# Altium PCB EDA-04211-V4_0_pcb.pcbdoc (part 10 of 12) (continued)
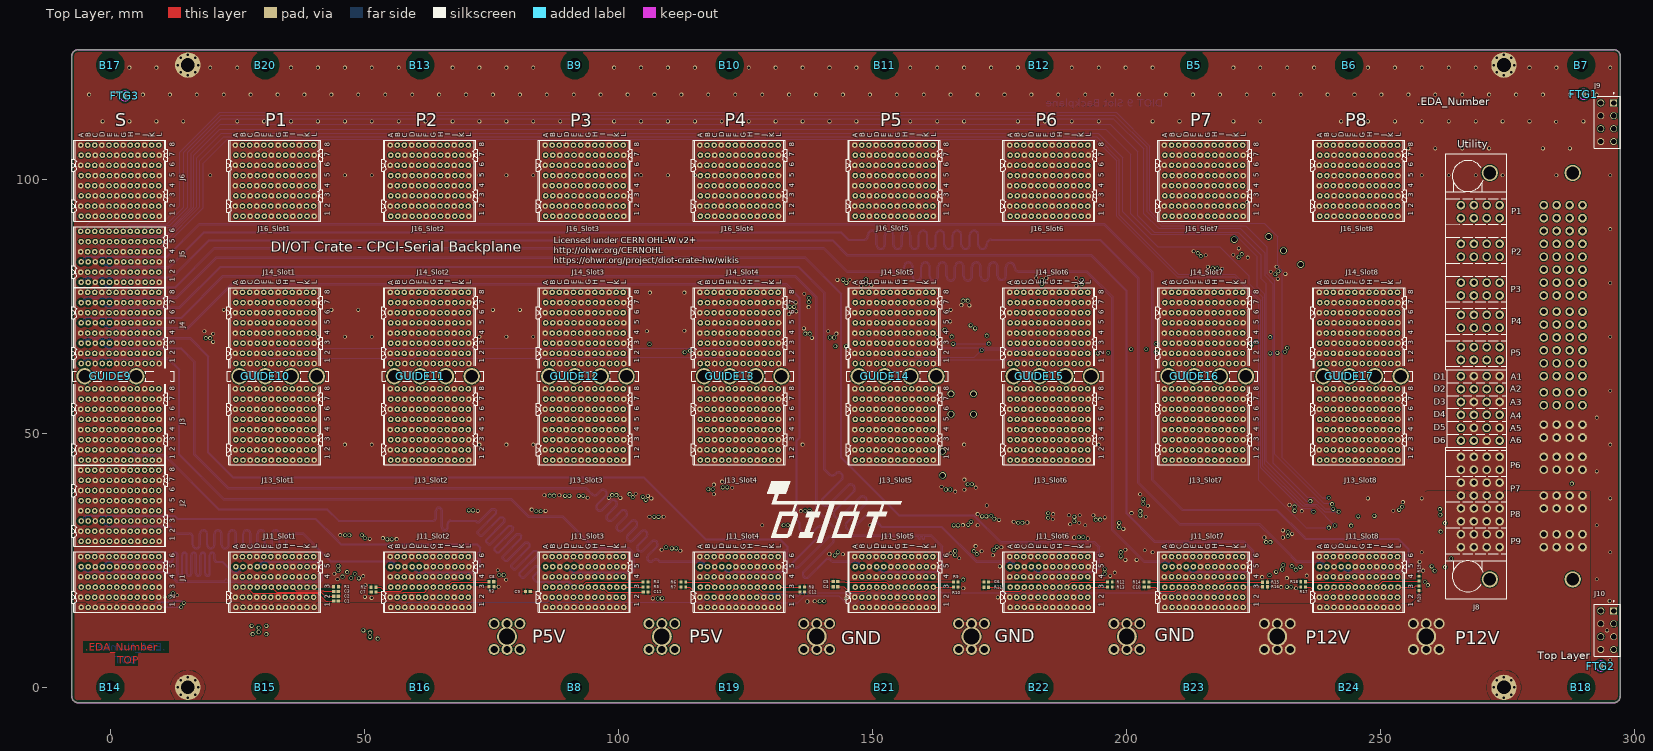
[diagram p0: Top Layer view]
## Nets (pads, with @x,y where several pads share a name; then routed paths per layer and width w, separated by ;. In a path a pad name is that pad's centre, name@x,y a point inside that pad or via, vN(x,y) a via of type N, cw(c..) or ccw(c..) an arc to the next point about the centre after c; other vN are vias at no path point) (continued)
R15.2 R16.2 R17.2 R18.2 R19.2 R20.2 | length 2.6
  Bottom Layer w0.3: J1.L1@9.62,15.75 9.654,15.784 12.239,15.784
  other v1: 295.25,5.4 52.6,9.6 28,10.5 30.7,10.5 49.8,11.2 294.6,11.2 27.8,12.1 30.7,12.1 137.2,16.9 138.628,16.952 295.1,17 106.776,17.511 144.8,17.5 51.4,17.6 174.7,17.7 10.7,17.8 50.1,17.8 13.157,18.126 167.9,19.5 233.4,19.5 230.454,19.741 76.4,19.8 50.2,20.1 77.9,21.2 44.7,21.3 292.6,21.3 231.6,21.5 226.7,21.7 49.765,21.911 196.82,21.95 235.5,22 44.089,22.363 197.7,22.6 258.4,23 76.264,23.051 175.1,23.8 257.7,24.7 199.8,25.1 202,25.1 167.105,25.425 173.731,25.995 144.2,26.2 141.523,26.249 165.4,26.4 205.15,26.6 258.15,26.6 295.25,26.6 171.5,26.8 112.2,26.9 203.6,27 108.503,27.087 199.8,27.1 175.389,27.599 170.3,27.8 56.327,29.192 51.053,29.234 192.4,29.3 53.636,29.388 189.7,29.5 227.172,29.5 230.8,29.5 45.252,29.978 232.6,30.2 230.8,30.9 199.4,31.2 128.3,31.9 149.5,31.9 170.7,31.9 191.9,31.9 292.6,31.9 134.284,31.916 167.82,31.95 188.92,32.091 190.7,32.4 180.52,32.45 177.8,32.6 174.92,32.95 185.5,33.1 195.72,33.45 106.122,33.603 108.9,33.6 203.8,33.6 188.7,33.872 190.8,33.872 193.5,33.872 170.7,34.1 185.6,34.1 201,34.3 135.9,34.7 234.5,34.7 72.314,34.729 85.669,34.732 252.521,34.758 82.9,35 204.22,35.75 172.5,35.8 232.1,35.9 254.426,36.46 106.5,37.2 247.55,37.2 258.15,37.2 295.25,37.2 100.406,37.286 98.1,37.3 93.944,37.341 105.811,37.679 85.44,37.806 88.387,37.806 118.8,38 202.7,38 103.4,38.1 166.32,38.55 168.1,38.9 122.423,39.279 170.357,39.339 163.6,39.5 118.81,39.918 120.4,40.5 168.1,40.9 292.6,42.5 46.15,47.8 51.45,47.8 72.65,47.8 77.95,47.8 83.25,47.8 136.25,47.8 168.05,47.8 194.55,47.8 295.25,47.8 292.6,53.1 295.25,58.4 20.213,68.006 138.1,68.8 40.85,69 46.15,69 51.45,69 72.65,69 77.95,69 83.25,69 162.75,69 295.25,69 20.2,69.6 142.92,69.632 18.5,70.1 105.6,70.1 141.3,70.1 113,70.2 136.52,70.65 165.288,72.045 133.573,73.467 135,74 22.3,74.3 43.5,74.3 48.8,74.3 75.3,74.3 80.6,74.3 165.4,74.3 137.434,74.864 169.1,75.2 167.52,75.25 134.869,75.779 136.6,77.5 106.2,77.7 113,77.7 147.82,79.05 190.164,79.055 149.8,79.2 178.65,79.6 295.25,79.6 143.1,80.2 145.537,80.224 229.8,80.4 182.265,80.554 184.246,80.579 190.114,80.579 231.3,81.4 228.4,81.8 218.841,82.408 216.047,82.764 229.56,82.789 223.9,84.6 215.62,85.05 221.02,85.15 213.22,85.85 222.1,86.4 295.25,90.2 223.7,95.5 19.65,100.8 46.15,100.8 51.45,100.8 72.65,100.8 77.95,100.8 83.25,100.8 104.45,100.8 109.75,100.8 115.05,100.8 258.15,100.8 263.45,100.8 268.75,100.8 274.05,100.8 284.65,100.8 295.25,100.8 255.5,106.1 260.8,106.1 266.1,106.1 271.4,106.1 282,106.1 287.3,106.1 284.585,111.335 -1.55,111.4 3.75,111.4 9.05,111.4 14.35,111.4 24.95,111.4 30.25,111.4 35.55,111.4 40.85,111.4 46.15,111.4 51.45,111.4 56.75,111.4 62.05,111.4 67.35,111.4 72.65,111.4 77.95,111.4 83.25,111.4 88.55,111.4 93.85,111.4 99.15,111.4 104.45,111.4 109.75,111.4 115.05,111.4 120.35,111.4 125.65,111.4 130.95,111.4 136.25,111.4 141.55,111.4 146.85,111.4 152.15,111.4 157.45,111.4 162.75,111.4 168.05,111.4 178.65,111.4 183.95,111.4 189.25,111.4 194.55,111.4 205.15,111.4 210.45,111.4 215.75,111.4 221.05,111.4 226.35,111.4 242.25,111.4 247.55,111.4 252.85,111.4 258.15,111.4 263.45,111.4 268.75,111.4 274.05,111.4 279.35,111.4 289.95,111.4 -4.2,116.7 1.1,116.7 6.4,116.7 11.7,116.7 17,116.7 22.3,116.7 27.6,116.7 32.9,116.7 38.2,116.7 43.5,116.7 48.8,116.7 54.1,116.7 59.4,116.7 64.7,116.7 70,116.7 75.3,116.7 80.6,116.7 85.9,116.7 91.2,116.7 96.5,116.7 101.8,116.7 107.1,116.7 112.4,116.7 117.7,116.7 123,116.7 128.3,116.7 133.6,116.7 138.9,116.7 144.2,116.7 149.5,116.7 154.8,116.7 160.1,116.7 165.4,116.7 170.7,116.7 176,116.7 181.3,116.7 186.6,116.7 191.9,116.7 197.2,116.7 202.5,116.7 207.8,116.7 213.1,116.7 218.4,116.7 223.7,116.7 229,116.7 234.3,116.7 239.6,116.7 244.9,116.7 250.2,116.7 255.5,116.7 260.8,116.7 266.1,116.7 271.4,116.7 276.7,116.7 282,116.7 287.3,116.7 292.6,116.7 3.75,122 9.05,122 19.65,122 24.95,122 35.55,122 40.85,122 46.15,122 51.45,122 56.75,122 67.35,122 72.65,122 77.95,122 83.25,122 99.15,122 104.45,122 109.75,122 115.05,122 125.65,122 130.95,122 136.25,122 141.55,122 146.85,122 157.45,122 162.75,122 168.05,122 173.35,122 178.65,122 189.25,122 194.55,122 199.85,122 205.15,122 221.05,122 226.35,122 231.65,122 236.95,122 247.55,122 252.85,122 258.15,122 263.45,122 268.75,122 279.35,122 284.65,122 295.25,122
  other v2: 15.24,-2.025 274.32,-2.025 13.808,-1.432 16.672,-1.432 272.888,-1.432 275.752,-1.432 13.215,0 17.265,0 272.295,0 276.345,0 13.808,1.432 16.672,1.432 272.888,1.432 275.752,1.432 15.24,2.025 274.32,2.025 15.24,120.475 274.32,120.475 13.808,121.068 16.672,121.068 272.888,121.068 275.752,121.068 13.215,122.5 17.265,122.5 272.295,122.5 276.345,122.5 13.808,123.932 16.672,123.932 272.888,123.932 275.752,123.932 15.24,124.525 274.32,124.525
I2C_SCL: J1.B2 J11_Slot1.B2 J11_Slot2.B2 J11_Slot3.B2 J11_Slot4.B2 J11_Slot5.B2 J11_Slot6.B2 J11_Slot7.B2 J11_Slot8.B2 | length 252.2
  L4 w0.102: J1.B2@-4.48,17.75 -3.527,16.797 13.287,16.797 13.99,17.5 20.77,17.5 21.625,16.645 24.895,16.645 J11_Slot1.B2@26,17.75 27.181,16.569 55.299,16.569 J11_Slot2.B2@56.48,17.75
  L8 w0.102: J11_Slot5.B2@147.92,17.75 148.924,16.746 177.396,16.746 J11_Slot6.B2@178.4,17.75 178.4,17.758 179.242,18.601 208.029,18.601 J11_Slot7.B2@208.88,17.75
  L10 w0.102: J11_Slot7.B2@208.88,17.75 209.756,18.626 238.158,18.626 239.034,17.75 J11_Slot8.B2@239.36,17.75
  Bottom Layer w0.102: J11_Slot2.B2@56.48,17.75 57.455,16.775 85.985,16.775 J11_Slot3.B2@86.96,17.75 87.913,16.797 116.487,16.797 J11_Slot4.B2@117.44,17.75 118.494,16.696 135.298,16.696 136.672,18.07 143.327,18.07 144.724,16.673 146.866,16.696 J11_Slot5.B2@147.92,17.75
I2C_SDA: J1.C2 J11_Slot1.C2 J11_Slot2.C2 J11_Slot3.C2 J11_Slot4.C2 J11_Slot5.C2 J11_Slot6.C2 J11_Slot7.C2 J11_Slot8.C2 | length 254.1
  L2 w0.102: J1.C2@-3.08,17.75 -2.143,16.813 13.703,16.813 14.935,18.045 21.589,18.045 22.871,16.763 26.413,16.763 J11_Slot1.C2@27.4,17.75 ; J11_Slot2.C2@57.88,17.75 58.858,16.772 87.382,16.772 J11_Slot3.C2@88.36,17.75
  L4 w0.102: J11_Slot1.C2@27.4,17.75 28.226,16.924 53.027,16.924 55.008,18.905 56.725,18.905 J11_Slot2.C2@57.88,17.75 ; J11_Slot3.C2@88.36,17.75 89.16,18.55 94.195,18.55 94.413,18.768 114.561,18.768 114.563,18.766 117.824,18.766 J11_Slot4.C2@118.84,17.75
  L8 w0.102: J11_Slot6.C2@179.8,17.75 180.829,16.721 209.251,16.721 J11_Slot7.C2@210.28,17.75
  L10 w0.102: J11_Slot4.C2@118.84,17.75 119.818,18.728 132.554,18.728 134.056,20.229 144.495,20.229 145.968,18.756 148.342,18.728 J11_Slot5.C2@149.32,17.75 150.221,18.651 162.377,18.651 164.256,16.772 178.822,16.772 J11_Slot6.C2@179.8,17.75 ; J11_Slot7.C2@210.28,17.75 211.08,16.95 239.96,16.95 J11_Slot8.C2@240.76,17.75
"IO0_Peripheral Slot 1": J14_Slot1.A3 J24_Slot1.A3
"IO0_Peripheral Slot 2": J14_Slot2.A3 J24_Slot2.A3
"IO0_Peripheral Slot 3": J14_Slot3.A3 J24_Slot3.A3
"IO0_Peripheral Slot 4": J14_Slot4.A3 J24_Slot4.A3
"IO0_Peripheral Slot 5": J14_Slot5.A3 J24_Slot5.A3
"IO0_Peripheral Slot 6": J14_Slot6.A3 J24_Slot6.A3
"IO0_Peripheral Slot 7": J14_Slot7.A3 J24_Slot7.A3
"IO0_Peripheral Slot 8": J14_Slot8.A3 J24_Slot8.A3
"IO1_Peripheral Slot 1": J14_Slot1.B3 J24_Slot1.B3
"IO1_Peripheral Slot 2": J14_Slot2.B3 J24_Slot2.B3
"IO1_Peripheral Slot 3": J14_Slot3.B3 J24_Slot3.B3
"IO1_Peripheral Slot 4": J14_Slot4.B3 J24_Slot4.B3
"IO1_Peripheral Slot 5": J14_Slot5.B3 J24_Slot5.B3
"IO1_Peripheral Slot 6": J14_Slot6.B3 J24_Slot6.B3
"IO1_Peripheral Slot 7": J14_Slot7.B3 J24_Slot7.B3
"IO1_Peripheral Slot 8": J14_Slot8.B3 J24_Slot8.B3
"IO2_Peripheral Slot 1": J14_Slot1.D3 J24_Slot1.D3
"IO2_Peripheral Slot 2": J14_Slot2.D3 J24_Slot2.D3
"IO2_Peripheral Slot 3": J14_Slot3.D3 J24_Slot3.D3
"IO2_Peripheral Slot 4": J14_Slot4.D3 J24_Slot4.D3
"IO2_Peripheral Slot 5": J14_Slot5.D3 J24_Slot5.D3
"IO2_Peripheral Slot 6": J14_Slot6.D3 J24_Slot6.D3
"IO2_Peripheral Slot 7": J14_Slot7.D3 J24_Slot7.D3
"IO2_Peripheral Slot 8": J14_Slot8.D3 J24_Slot8.D3
"IO3_Peripheral Slot 1": J14_Slot1.E3 J24_Slot1.E3
"IO3_Peripheral Slot 2": J14_Slot2.E3 J24_Slot2.E3
"IO3_Peripheral Slot 3": J14_Slot3.E3 J24_Slot3.E3
"IO3_Peripheral Slot 4": J14_Slot4.E3 J24_Slot4.E3
"IO3_Peripheral Slot 5": J14_Slot5.E3 J24_Slot5.E3
"IO3_Peripheral Slot 6": J14_Slot6.E3 J24_Slot6.E3
"IO3_Peripheral Slot 7": J14_Slot7.E3 J24_Slot7.E3
"IO3_Peripheral Slot 8": J14_Slot8.E3 J24_Slot8.E3
"IO4_Peripheral Slot 1": J14_Slot1.G3 J24_Slot1.G3
"IO4_Peripheral Slot 2": J14_Slot2.G3 J24_Slot2.G3
"IO4_Peripheral Slot 3": J14_Slot3.G3 J24_Slot3.G3
"IO4_Peripheral Slot 4": J14_Slot4.G3 J24_Slot4.G3
"IO4_Peripheral Slot 5": J14_Slot5.G3 J24_Slot5.G3
"IO4_Peripheral Slot 6": J14_Slot6.G3 J24_Slot6.G3
"IO4_Peripheral Slot 7": J14_Slot7.G3 J24_Slot7.G3
"IO4_Peripheral Slot 8": J14_Slot8.G3 J24_Slot8.G3
"IO5_Peripheral Slot 1": J14_Slot1.H3 J24_Slot1.H3
"IO5_Peripheral Slot 2": J14_Slot2.H3 J24_Slot2.H3
"IO5_Peripheral Slot 3": J14_Slot3.H3 J24_Slot3.H3
"IO5_Peripheral Slot 4": J14_Slot4.H3 J24_Slot4.H3
"IO5_Peripheral Slot 5": J14_Slot5.H3 J24_Slot5.H3
"IO5_Peripheral Slot 6": J14_Slot6.H3 J24_Slot6.H3
"IO5_Peripheral Slot 7": J14_Slot7.H3 J24_Slot7.H3
"IO5_Peripheral Slot 8": J14_Slot8.H3 J24_Slot8.H3
"IO6_Peripheral Slot 1": J14_Slot1.J3 J24_Slot1.J3
"IO6_Peripheral Slot 2": J14_Slot2.J3 J24_Slot2.J3
"IO6_Peripheral Slot 3": J14_Slot3.J3 J24_Slot3.J3
"IO6_Peripheral Slot 4": J14_Slot4.J3 J24_Slot4.J3
"IO6_Peripheral Slot 5": J14_Slot5.J3 J24_Slot5.J3
"IO6_Peripheral Slot 6": J14_Slot6.J3 J24_Slot6.J3
"IO6_Peripheral Slot 7": J14_Slot7.J3 J24_Slot7.J3
"IO6_Peripheral Slot 8": J14_Slot8.J3 J24_Slot8.J3
"IO7_Peripheral Slot 1": J14_Slot1.K3 J24_Slot1.K3
"IO7_Peripheral Slot 2": J14_Slot2.K3 J24_Slot2.K3
"IO7_Peripheral Slot 3": J14_Slot3.K3 J24_Slot3.K3
"IO7_Peripheral Slot 4": J14_Slot4.K3 J24_Slot4.K3
"IO7_Peripheral Slot 5": J14_Slot5.K3 J24_Slot5.K3
"IO7_Peripheral Slot 6": J14_Slot6.K3 J24_Slot6.K3
"IO7_Peripheral Slot 7": J14_Slot7.K3 J24_Slot7.K3
"IO7_Peripheral Slot 8": J14_Slot8.K3 J24_Slot8.K3
"IO8_Peripheral Slot 1": J14_Slot1.B4 J24_Slot1.B4
"IO8_Peripheral Slot 2": J14_Slot2.B4 J24_Slot2.B4
"IO8_Peripheral Slot 3": J14_Slot3.B4 J24_Slot3.B4
"IO8_Peripheral Slot 4": J14_Slot4.B4 J24_Slot4.B4
"IO8_Peripheral Slot 5": J14_Slot5.B4 J24_Slot5.B4
"IO8_Peripheral Slot 6": J14_Slot6.B4 J24_Slot6.B4
"IO8_Peripheral Slot 7": J14_Slot7.B4 J24_Slot7.B4
"IO8_Peripheral Slot 8": J14_Slot8.B4 J24_Slot8.B4
"IO9_Peripheral Slot 1": J14_Slot1.C4 J24_Slot1.C4
"IO9_Peripheral Slot 2": J14_Slot2.C4 J24_Slot2.C4
"IO9_Peripheral Slot 3": J14_Slot3.C4 J24_Slot3.C4
"IO9_Peripheral Slot 4": J14_Slot4.C4 J24_Slot4.C4
"IO9_Peripheral Slot 5": J14_Slot5.C4 J24_Slot5.C4
"IO9_Peripheral Slot 6": J14_Slot6.C4 J24_Slot6.C4
"IO9_Peripheral Slot 7": J14_Slot7.C4 J24_Slot7.C4
"IO9_Peripheral Slot 8": J14_Slot8.C4 J24_Slot8.C4
"IO10_Peripheral Slot 1": J14_Slot1.E4 J24_Slot1.E4
"IO10_Peripheral Slot 2": J14_Slot2.E4 J24_Slot2.E4
"IO10_Peripheral Slot 3": J14_Slot3.E4 J24_Slot3.E4
"IO10_Peripheral Slot 4": J14_Slot4.E4 J24_Slot4.E4
"IO10_Peripheral Slot 5": J14_Slot5.E4 J24_Slot5.E4
"IO10_Peripheral Slot 6": J14_Slot6.E4 J24_Slot6.E4
"IO10_Peripheral Slot 7": J14_Slot7.E4 J24_Slot7.E4
"IO10_Peripheral Slot 8": J14_Slot8.E4 J24_Slot8.E4
"IO11_Peripheral Slot 1": J14_Slot1.F4 J24_Slot1.F4
"IO11_Peripheral Slot 2": J14_Slot2.F4 J24_Slot2.F4
"IO11_Peripheral Slot 3": J14_Slot3.F4 J24_Slot3.F4
"IO11_Peripheral Slot 4": J14_Slot4.F4 J24_Slot4.F4
"IO11_Peripheral Slot 5": J14_Slot5.F4 J24_Slot5.F4
"IO11_Peripheral Slot 6": J14_Slot6.F4 J24_Slot6.F4
"IO11_Peripheral Slot 7": J14_Slot7.F4 J24_Slot7.F4
"IO11_Peripheral Slot 8": J14_Slot8.F4 J24_Slot8.F4
"IO12_Peripheral Slot 1": J14_Slot1.H4 J24_Slot1.H4
"IO12_Peripheral Slot 2": J14_Slot2.H4 J24_Slot2.H4
"IO12_Peripheral Slot 3": J14_Slot3.H4 J24_Slot3.H4
"IO12_Peripheral Slot 4": J14_Slot4.H4 J24_Slot4.H4
"IO12_Peripheral Slot 5": J14_Slot5.H4 J24_Slot5.H4
"IO12_Peripheral Slot 6": J14_Slot6.H4 J24_Slot6.H4
"IO12_Peripheral Slot 7": J14_Slot7.H4 J24_Slot7.H4
"IO12_Peripheral Slot 8": J14_Slot8.H4 J24_Slot8.H4
"IO13_Peripheral Slot 1": J14_Slot1.I4 J24_Slot1.I4
"IO13_Peripheral Slot 2": J14_Slot2.I4 J24_Slot2.I4
"IO13_Peripheral Slot 3": J14_Slot3.I4 J24_Slot3.I4
"IO13_Peripheral Slot 4": J14_Slot4.I4 J24_Slot4.I4
"IO13_Peripheral Slot 5": J14_Slot5.I4 J24_Slot5.I4
"IO13_Peripheral Slot 6": J14_Slot6.I4 J24_Slot6.I4
"IO13_Peripheral Slot 7": J14_Slot7.I4 J24_Slot7.I4
"IO13_Peripheral Slot 8": J14_Slot8.I4 J24_Slot8.I4
"IO14_Peripheral Slot 1": J14_Slot1.K4 J24_Slot1.K4
"IO14_Peripheral Slot 2": J14_Slot2.K4 J24_Slot2.K4
"IO14_Peripheral Slot 3": J14_Slot3.K4 J24_Slot3.K4
"IO14_Peripheral Slot 4": J14_Slot4.K4 J24_Slot4.K4
"IO14_Peripheral Slot 5": J14_Slot5.K4 J24_Slot5.K4
"IO14_Peripheral Slot 6": J14_Slot6.K4 J24_Slot6.K4
"IO14_Peripheral Slot 7": J14_Slot7.K4 J24_Slot7.K4
"IO14_Peripheral Slot 8": J14_Slot8.K4 J24_Slot8.K4
"IO15_Peripheral Slot 1": J14_Slot1.L4 J24_Slot1.L4
"IO15_Peripheral Slot 2": J14_Slot2.L4 J24_Slot2.L4
"IO15_Peripheral Slot 3": J14_Slot3.L4 J24_Slot3.L4
"IO15_Peripheral Slot 4": J14_Slot4.L4 J24_Slot4.L4
"IO15_Peripheral Slot 5": J14_Slot5.L4 J24_Slot5.L4
"IO15_Peripheral Slot 6": J14_Slot6.L4 J24_Slot6.L4
"IO15_Peripheral Slot 7": J14_Slot7.L4 J24_Slot7.L4
"IO15_Peripheral Slot 8": J14_Slot8.L4 J24_Slot8.L4
"IO16_Peripheral Slot 1": J14_Slot1.A5 J24_Slot1.A5
"IO16_Peripheral Slot 2": J14_Slot2.A5 J24_Slot2.A5
"IO16_Peripheral Slot 3": J14_Slot3.A5 J24_Slot3.A5
"IO16_Peripheral Slot 4": J14_Slot4.A5 J24_Slot4.A5
"IO16_Peripheral Slot 5": J14_Slot5.A5 J24_Slot5.A5
"IO16_Peripheral Slot 6": J14_Slot6.A5 J24_Slot6.A5
"IO16_Peripheral Slot 7": J14_Slot7.A5 J24_Slot7.A5
"IO16_Peripheral Slot 8": J14_Slot8.A5 J24_Slot8.A5
"IO17_Peripheral Slot 1": J14_Slot1.B5 J24_Slot1.B5
"IO17_Peripheral Slot 2": J14_Slot2.B5 J24_Slot2.B5
"IO17_Peripheral Slot 3": J14_Slot3.B5 J24_Slot3.B5
"IO17_Peripheral Slot 4": J14_Slot4.B5 J24_Slot4.B5
"IO17_Peripheral Slot 5": J14_Slot5.B5 J24_Slot5.B5
"IO17_Peripheral Slot 6": J14_Slot6.B5 J24_Slot6.B5
"IO17_Peripheral Slot 7": J14_Slot7.B5 J24_Slot7.B5
"IO17_Peripheral Slot 8": J14_Slot8.B5 J24_Slot8.B5
"IO18_Peripheral Slot 1": J14_Slot1.D5 J24_Slot1.D5
"IO18_Peripheral Slot 2": J14_Slot2.D5 J24_Slot2.D5
"IO18_Peripheral Slot 3": J14_Slot3.D5 J24_Slot3.D5
"IO18_Peripheral Slot 4": J14_Slot4.D5 J24_Slot4.D5
"IO18_Peripheral Slot 5": J14_Slot5.D5 J24_Slot5.D5
"IO18_Peripheral Slot 6": J14_Slot6.D5 J24_Slot6.D5
"IO18_Peripheral Slot 7": J14_Slot7.D5 J24_Slot7.D5
"IO18_Peripheral Slot 8": J14_Slot8.D5 J24_Slot8.D5
"IO19_Peripheral Slot 1": J14_Slot1.E5 J24_Slot1.E5
"IO19_Peripheral Slot 2": J14_Slot2.E5 J24_Slot2.E5
"IO19_Peripheral Slot 3": J14_Slot3.E5 J24_Slot3.E5
"IO19_Peripheral Slot 4": J14_Slot4.E5 J24_Slot4.E5
"IO19_Peripheral Slot 5": J14_Slot5.E5 J24_Slot5.E5
"IO19_Peripheral Slot 6": J14_Slot6.E5 J24_Slot6.E5
"IO19_Peripheral Slot 7": J14_Slot7.E5 J24_Slot7.E5
"IO19_Peripheral Slot 8": J14_Slot8.E5 J24_Slot8.E5
"IO20_Peripheral Slot 1": J14_Slot1.G5 J24_Slot1.G5
"IO20_Peripheral Slot 2": J14_Slot2.G5 J24_Slot2.G5
"IO20_Peripheral Slot 3": J14_Slot3.G5 J24_Slot3.G5
"IO20_Peripheral Slot 4": J14_Slot4.G5 J24_Slot4.G5
"IO20_Peripheral Slot 5": J14_Slot5.G5 J24_Slot5.G5
"IO20_Peripheral Slot 6": J14_Slot6.G5 J24_Slot6.G5
"IO20_Peripheral Slot 7": J14_Slot7.G5 J24_Slot7.G5
"IO20_Peripheral Slot 8": J14_Slot8.G5 J24_Slot8.G5
"IO21_Peripheral Slot 1": J14_Slot1.H5 J24_Slot1.H5
"IO21_Peripheral Slot 2": J14_Slot2.H5 J24_Slot2.H5
"IO21_Peripheral Slot 3": J14_Slot3.H5 J24_Slot3.H5
"IO21_Peripheral Slot 4": J14_Slot4.H5 J24_Slot4.H5
"IO21_Peripheral Slot 5": J14_Slot5.H5 J24_Slot5.H5
"IO21_Peripheral Slot 6": J14_Slot6.H5 J24_Slot6.H5
"IO21_Peripheral Slot 7": J14_Slot7.H5 J24_Slot7.H5
"IO21_Peripheral Slot 8": J14_Slot8.H5 J24_Slot8.H5
"IO22_Peripheral Slot 1": J14_Slot1.J5 J24_Slot1.J5
"IO22_Peripheral Slot 2": J14_Slot2.J5 J24_Slot2.J5
"IO22_Peripheral Slot 3": J14_Slot3.J5 J24_Slot3.J5
"IO22_Peripheral Slot 4": J14_Slot4.J5 J24_Slot4.J5
"IO22_Peripheral Slot 5": J14_Slot5.J5 J24_Slot5.J5
"IO22_Peripheral Slot 6": J14_Slot6.J5 J24_Slot6.J5
"IO22_Peripheral Slot 7": J14_Slot7.J5 J24_Slot7.J5
"IO22_Peripheral Slot 8": J14_Slot8.J5 J24_Slot8.J5
"IO23_Peripheral Slot 1": J14_Slot1.K5 J24_Slot1.K5
"IO23_Peripheral Slot 2": J14_Slot2.K5 J24_Slot2.K5
"IO23_Peripheral Slot 3": J14_Slot3.K5 J24_Slot3.K5
"IO23_Peripheral Slot 4": J14_Slot4.K5 J24_Slot4.K5
"IO23_Peripheral Slot 5": J14_Slot5.K5 J24_Slot5.K5
"IO23_Peripheral Slot 6": J14_Slot6.K5 J24_Slot6.K5
"IO23_Peripheral Slot 7": J14_Slot7.K5 J24_Slot7.K5
"IO23_Peripheral Slot 8": J14_Slot8.K5 J24_Slot8.K5
"IO24_Peripheral Slot 1": J14_Slot1.B6 J24_Slot1.B6
"IO24_Peripheral Slot 2": J14_Slot2.B6 J24_Slot2.B6
"IO24_Peripheral Slot 3": J14_Slot3.B6 J24_Slot3.B6
"IO24_Peripheral Slot 4": J14_Slot4.B6 J24_Slot4.B6
"IO24_Peripheral Slot 5": J14_Slot5.B6 J24_Slot5.B6
"IO24_Peripheral Slot 6": J14_Slot6.B6 J24_Slot6.B6
"IO24_Peripheral Slot 7": J14_Slot7.B6 J24_Slot7.B6
"IO24_Peripheral Slot 8": J14_Slot8.B6 J24_Slot8.B6
"IO25_Peripheral Slot 1": J14_Slot1.C6 J24_Slot1.C6
"IO25_Peripheral Slot 2": J14_Slot2.C6 J24_Slot2.C6
"IO25_Peripheral Slot 3": J14_Slot3.C6 J24_Slot3.C6
"IO25_Peripheral Slot 4": J14_Slot4.C6 J24_Slot4.C6
"IO25_Peripheral Slot 5": J14_Slot5.C6 J24_Slot5.C6
"IO25_Peripheral Slot 6": J14_Slot6.C6 J24_Slot6.C6
"IO25_Peripheral Slot 7": J14_Slot7.C6 J24_Slot7.C6
"IO25_Peripheral Slot 8": J14_Slot8.C6 J24_Slot8.C6
"IO26_Peripheral Slot 1": J14_Slot1.E6 J24_Slot1.E6
"IO26_Peripheral Slot 2": J14_Slot2.E6 J24_Slot2.E6
"IO26_Peripheral Slot 3": J14_Slot3.E6 J24_Slot3.E6
"IO26_Peripheral Slot 4": J14_Slot4.E6 J24_Slot4.E6
"IO26_Peripheral Slot 5": J14_Slot5.E6 J24_Slot5.E6
"IO26_Peripheral Slot 6": J14_Slot6.E6 J24_Slot6.E6
"IO26_Peripheral Slot 7": J14_Slot7.E6 J24_Slot7.E6
"IO26_Peripheral Slot 8": J14_Slot8.E6 J24_Slot8.E6
"IO27_Peripheral Slot 1": J14_Slot1.F6 J24_Slot1.F6
"IO27_Peripheral Slot 2": J14_Slot2.F6 J24_Slot2.F6
"IO27_Peripheral Slot 3": J14_Slot3.F6 J24_Slot3.F6
"IO27_Peripheral Slot 4": J14_Slot4.F6 J24_Slot4.F6
"IO27_Peripheral Slot 5": J14_Slot5.F6 J24_Slot5.F6
"IO27_Peripheral Slot 6": J14_Slot6.F6 J24_Slot6.F6
"IO27_Peripheral Slot 7": J14_Slot7.F6 J24_Slot7.F6
"IO27_Peripheral Slot 8": J14_Slot8.F6 J24_Slot8.F6
"IO28_Peripheral Slot 1": J14_Slot1.H6 J24_Slot1.H6
"IO28_Peripheral Slot 2": J14_Slot2.H6 J24_Slot2.H6
"IO28_Peripheral Slot 3": J14_Slot3.H6 J24_Slot3.H6
"IO28_Peripheral Slot 4": J14_Slot4.H6 J24_Slot4.H6
"IO28_Peripheral Slot 5": J14_Slot5.H6 J24_Slot5.H6
"IO28_Peripheral Slot 6": J14_Slot6.H6 J24_Slot6.H6
"IO28_Peripheral Slot 7": J14_Slot7.H6 J24_Slot7.H6
"IO28_Peripheral Slot 8": J14_Slot8.H6 J24_Slot8.H6
"IO29_Peripheral Slot 1": J14_Slot1.I6 J24_Slot1.I6
"IO29_Peripheral Slot 2": J14_Slot2.I6 J24_Slot2.I6
"IO29_Peripheral Slot 3": J14_Slot3.I6 J24_Slot3.I6
"IO29_Peripheral Slot 4": J14_Slot4.I6 J24_Slot4.I6
"IO29_Peripheral Slot 5": J14_Slot5.I6 J24_Slot5.I6
"IO29_Peripheral Slot 6": J14_Slot6.I6 J24_Slot6.I6
"IO29_Peripheral Slot 7": J14_Slot7.I6 J24_Slot7.I6
"IO29_Peripheral Slot 8": J14_Slot8.I6 J24_Slot8.I6
"IO30_Peripheral Slot 1": J14_Slot1.K6 J24_Slot1.K6
"IO30_Peripheral Slot 2": J14_Slot2.K6 J24_Slot2.K6
"IO30_Peripheral Slot 3": J14_Slot3.K6 J24_Slot3.K6
"IO30_Peripheral Slot 4": J14_Slot4.K6 J24_Slot4.K6
"IO30_Peripheral Slot 5": J14_Slot5.K6 J24_Slot5.K6
"IO30_Peripheral Slot 6": J14_Slot6.K6 J24_Slot6.K6
"IO30_Peripheral Slot 7": J14_Slot7.K6 J24_Slot7.K6
"IO30_Peripheral Slot 8": J14_Slot8.K6 J24_Slot8.K6
"IO31_Peripheral Slot 1": J14_Slot1.L6 J24_Slot1.L6
"IO31_Peripheral Slot 2": J14_Slot2.L6 J24_Slot2.L6
"IO31_Peripheral Slot 3": J14_Slot3.L6 J24_Slot3.L6
"IO31_Peripheral Slot 4": J14_Slot4.L6 J24_Slot4.L6
"IO31_Peripheral Slot 5": J14_Slot5.L6 J24_Slot5.L6
"IO31_Peripheral Slot 6": J14_Slot6.L6 J24_Slot6.L6
"IO31_Peripheral Slot 7": J14_Slot7.L6 J24_Slot7.L6
"IO31_Peripheral Slot 8": J14_Slot8.L6 J24_Slot8.L6
"IO32_Peripheral Slot 1": J14_Slot1.A7 J24_Slot1.A7
"IO32_Peripheral Slot 2": J14_Slot2.A7 J24_Slot2.A7
"IO32_Peripheral Slot 3": J14_Slot3.A7 J24_Slot3.A7
"IO32_Peripheral Slot 4": J14_Slot4.A7 J24_Slot4.A7
"IO32_Peripheral Slot 5": J14_Slot5.A7 J24_Slot5.A7
"IO32_Peripheral Slot 6": J14_Slot6.A7 J24_Slot6.A7
"IO32_Peripheral Slot 7": J14_Slot7.A7 J24_Slot7.A7
"IO32_Peripheral Slot 8": J14_Slot8.A7 J24_Slot8.A7
"IO33_Peripheral Slot 1": J14_Slot1.B7 J24_Slot1.B7
"IO33_Peripheral Slot 2": J14_Slot2.B7 J24_Slot2.B7
"IO33_Peripheral Slot 3": J14_Slot3.B7 J24_Slot3.B7
"IO33_Peripheral Slot 4": J14_Slot4.B7 J24_Slot4.B7
"IO33_Peripheral Slot 5": J14_Slot5.B7 J24_Slot5.B7
"IO33_Peripheral Slot 6": J14_Slot6.B7 J24_Slot6.B7
"IO33_Peripheral Slot 7": J14_Slot7.B7 J24_Slot7.B7
"IO33_Peripheral Slot 8": J14_Slot8.B7 J24_Slot8.B7
"IO34_Peripheral Slot 1": J14_Slot1.D7 J24_Slot1.D7
"IO34_Peripheral Slot 2": J14_Slot2.D7 J24_Slot2.D7
"IO34_Peripheral Slot 3": J14_Slot3.D7 J24_Slot3.D7

## Text inside footprints (layer, text, board x,y; h text height)
J14_Slot4: Top Overlay "L" at 132.04,79.379 h1 r90; Top Overlay "8" at 134.59,77.433 h1 r90; Top Overlay "7" at 134.59,75.433 h1 r90; Top Overlay "K" at 130.64,79.283 h1 r90; Top Overlay "J" at 129.24,79.474 h1 r90; Top Overlay "6" at 134.59,73.481 h1 r90; Top Overlay "5" at 134.59,71.433 h1 r90; Top Overlay "I" at 127.84,79.7 h1 r90; Top Overlay "H" at 126.44,79.283 h1 r90; Top Overlay "G" at 125.04,79.236 h1 r90; Top Overlay "4" at 134.59,69.386 h1 r90; Top Overlay "3" at 134.59,67.433 h1 r90; Top Overlay "2" at 134.59,65.433 h1 r90; Top Overlay "1" at 134.59,63.862 h1 r90; Top Overlay "F" at 123.64,79.331 h1 r90; Top Overlay "E" at 122.24,79.331 h1 r90; Top Overlay "D" at 120.84,79.283 h1 r90; Top Overlay "C" at 119.44,79.236 h1 r90; Top Overlay "B" at 118.04,79.283 h1 r90; Top Overlay "A" at 116.64,79.188 h1 r90; Mechanical 14 "L" at 131.04,79.95 h1 r270; Mechanical 14 "8" at 133.59,78.1 h1 r270; Mechanical 14 "7" at 133.59,76.1 h1 r270; Mechanical 14 "K" at 129.64,79.95 h1 r270; Mechanical 14 "J" at 128.24,79.95 h1 r270; Mechanical 14 "6" at 133.59,74.1 h1 r270; Mechanical 14 "5" at 133.59,72.1 h1 r270; Mechanical 14 "I" at 126.84,79.7 h1 r270; Mechanical 14 "H" at 125.44,79.95 h1 r270; Mechanical 14 "G" at 124.04,79.95 h1 r270; Mechanical 14 "4" at 133.59,70.1 h1 r270; Mechanical 14 "3" at 133.59,68.1 h1 r270; Mechanical 14 "2" at 133.59,66.1 h1 r270; Mechanical 14 "1" at 133.59,64.1 h1 r270; Mechanical 14 "F" at 122.64,79.95 h1 r270; Mechanical 14 "E" at 121.24,79.95 h1 r270; Mechanical 14 "D" at 119.84,79.95 h1 r270; Mechanical 14 "C" at 118.44,79.95 h1 r270; Mechanical 14 "B" at 117.04,79.95 h1 r270; Mechanical 14 "A" at 115.64,79.95 h1 r270
J14_Slot5: Top Overlay "L" at 162.52,79.379 h1 r90; Top Overlay "8" at 165.07,77.433 h1 r90; Top Overlay "7" at 165.07,75.433 h1 r90; Top Overlay "K" at 161.12,79.283 h1 r90; Top Overlay "J" at 159.72,79.474 h1 r90; Top Overlay "6" at 165.07,73.481 h1 r90; Top Overlay "5" at 165.07,71.433 h1 r90; Top Overlay "I" at 158.32,79.7 h1 r90; Top Overlay "H" at 156.92,79.283 h1 r90; Top Overlay "G" at 155.52,79.236 h1 r90; Top Overlay "4" at 165.07,69.386 h1 r90; Top Overlay "3" at 165.07,67.433 h1 r90; Top Overlay "2" at 165.07,65.433 h1 r90; Top Overlay "1" at 165.07,63.862 h1 r90; Top Overlay "F" at 154.12,79.331 h1 r90; Top Overlay "E" at 152.72,79.331 h1 r90; Top Overlay "D" at 151.32,79.283 h1 r90; Top Overlay "C" at 149.92,79.236 h1 r90; Top Overlay "B" at 148.52,79.283 h1 r90; Top Overlay "A" at 147.12,79.188 h1 r90; Mechanical 14 "L" at 161.52,79.95 h1 r270; Mechanical 14 "8" at 164.07,78.1 h1 r270; Mechanical 14 "7" at 164.07,76.1 h1 r270; Mechanical 14 "K" at 160.12,79.95 h1 r270; Mechanical 14 "J" at 158.72,79.95 h1 r270; Mechanical 14 "6" at 164.07,74.1 h1 r270; Mechanical 14 "5" at 164.07,72.1 h1 r270; Mechanical 14 "I" at 157.32,79.7 h1 r270; Mechanical 14 "H" at 155.92,79.95 h1 r270; Mechanical 14 "G" at 154.52,79.95 h1 r270; Mechanical 14 "4" at 164.07,70.1 h1 r270; Mechanical 14 "3" at 164.07,68.1 h1 r270; Mechanical 14 "2" at 164.07,66.1 h1 r270; Mechanical 14 "1" at 164.07,64.1 h1 r270; Mechanical 14 "F" at 153.12,79.95 h1 r270; Mechanical 14 "E" at 151.72,79.95 h1 r270; Mechanical 14 "D" at 150.32,79.95 h1 r270; Mechanical 14 "C" at 148.92,79.95 h1 r270; Mechanical 14 "B" at 147.52,79.95 h1 r270; Mechanical 14 "A" at 146.12,79.95 h1 r270
J14_Slot6: Top Overlay "L" at 193,79.379 h1 r90; Top Overlay "8" at 195.55,77.433 h1 r90; Top Overlay "7" at 195.55,75.433 h1 r90; Top Overlay "K" at 191.6,79.283 h1 r90; Top Overlay "J" at 190.2,79.474 h1 r90; Top Overlay "6" at 195.55,73.481 h1 r90; Top Overlay "5" at 195.55,71.433 h1 r90; Top Overlay "I" at 188.8,79.7 h1 r90; Top Overlay "H" at 187.4,79.283 h1 r90; Top Overlay "G" at 186,79.236 h1 r90; Top Overlay "4" at 195.55,69.386 h1 r90; Top Overlay "3" at 195.55,67.433 h1 r90; Top Overlay "2" at 195.55,65.433 h1 r90; Top Overlay "1" at 195.55,63.862 h1 r90; Top Overlay "F" at 184.6,79.331 h1 r90; Top Overlay "E" at 183.2,79.331 h1 r90; Top Overlay "D" at 181.8,79.283 h1 r90; Top Overlay "C" at 180.4,79.236 h1 r90; Top Overlay "B" at 179,79.283 h1 r90; Top Overlay "A" at 177.6,79.188 h1 r90; Mechanical 14 "L" at 192,79.95 h1 r270; Mechanical 14 "8" at 194.55,78.1 h1 r270; Mechanical 14 "7" at 194.55,76.1 h1 r270; Mechanical 14 "K" at 190.6,79.95 h1 r270; Mechanical 14 "J" at 189.2,79.95 h1 r270; Mechanical 14 "6" at 194.55,74.1 h1 r270; Mechanical 14 "5" at 194.55,72.1 h1 r270; Mechanical 14 "I" at 187.8,79.7 h1 r270; Mechanical 14 "H" at 186.4,79.95 h1 r270; Mechanical 14 "G" at 185,79.95 h1 r270; Mechanical 14 "4" at 194.55,70.1 h1 r270; Mechanical 14 "3" at 194.55,68.1 h1 r270; Mechanical 14 "2" at 194.55,66.1 h1 r270; Mechanical 14 "1" at 194.55,64.1 h1 r270; Mechanical 14 "F" at 183.6,79.95 h1 r270; Mechanical 14 "E" at 182.2,79.95 h1 r270; Mechanical 14 "D" at 180.8,79.95 h1 r270; Mechanical 14 "C" at 179.4,79.95 h1 r270; Mechanical 14 "B" at 178,79.95 h1 r270; Mechanical 14 "A" at 176.6,79.95 h1 r270
J14_Slot7: Top Overlay "L" at 223.48,79.379 h1 r90; Top Overlay "8" at 226.03,77.433 h1 r90; Top Overlay "7" at 226.03,75.433 h1 r90; Top Overlay "K" at 222.08,79.283 h1 r90; Top Overlay "J" at 220.68,79.474 h1 r90; Top Overlay "6" at 226.03,73.481 h1 r90; Top Overlay "5" at 226.03,71.433 h1 r90; Top Overlay "I" at 219.28,79.7 h1 r90; Top Overlay "H" at 217.88,79.283 h1 r90; Top Overlay "G" at 216.48,79.236 h1 r90; Top Overlay "4" at 226.03,69.386 h1 r90; Top Overlay "3" at 226.03,67.433 h1 r90; Top Overlay "2" at 226.03,65.433 h1 r90; Top Overlay "1" at 226.03,63.862 h1 r90; Top Overlay "F" at 215.08,79.331 h1 r90; Top Overlay "E" at 213.68,79.331 h1 r90; Top Overlay "D" at 212.28,79.283 h1 r90; Top Overlay "C" at 210.88,79.236 h1 r90; Top Overlay "B" at 209.48,79.283 h1 r90; Top Overlay "A" at 208.08,79.188 h1 r90; Mechanical 14 "L" at 222.48,79.95 h1 r270; Mechanical 14 "8" at 225.03,78.1 h1 r270; Mechanical 14 "7" at 225.03,76.1 h1 r270; Mechanical 14 "K" at 221.08,79.95 h1 r270; Mechanical 14 "J" at 219.68,79.95 h1 r270; Mechanical 14 "6" at 225.03,74.1 h1 r270; Mechanical 14 "5" at 225.03,72.1 h1 r270; Mechanical 14 "I" at 218.28,79.7 h1 r270; Mechanical 14 "H" at 216.88,79.95 h1 r270; Mechanical 14 "G" at 215.48,79.95 h1 r270; Mechanical 14 "4" at 225.03,70.1 h1 r270; Mechanical 14 "3" at 225.03,68.1 h1 r270; Mechanical 14 "2" at 225.03,66.1 h1 r270; Mechanical 14 "1" at 225.03,64.1 h1 r270; Mechanical 14 "F" at 214.08,79.95 h1 r270; Mechanical 14 "E" at 212.68,79.95 h1 r270; Mechanical 14 "D" at 211.28,79.95 h1 r270; Mechanical 14 "C" at 209.88,79.95 h1 r270; Mechanical 14 "B" at 208.48,79.95 h1 r270; Mechanical 14 "A" at 207.08,79.95 h1 r270
J14_Slot8: Top Overlay "8" at 256.51,77.433 h1 r90; Top Overlay "L" at 253.96,79.379 h1 r90; Top Overlay "7" at 256.51,75.433 h1 r90; Top Overlay "K" at 252.56,79.283 h1 r90; Top Overlay "J" at 251.16,79.474 h1 r90; Top Overlay "6" at 256.51,73.481 h1 r90; Top Overlay "5" at 256.51,71.433 h1 r90; Top Overlay "I" at 249.76,79.7 h1 r90; Top Overlay "H" at 248.36,79.283 h1 r90; Top Overlay "G" at 246.96,79.236 h1 r90; Top Overlay "4" at 256.51,69.386 h1 r90; Top Overlay "3" at 256.51,67.433 h1 r90; Top Overlay "2" at 256.51,65.433 h1 r90; Top Overlay "1" at 256.51,63.862 h1 r90; Top Overlay "F" at 245.56,79.331 h1 r90; Top Overlay "E" at 244.16,79.331 h1 r90; Top Overlay "D" at 242.76,79.283 h1 r90; Top Overlay "C" at 241.36,79.236 h1 r90; Top Overlay "B" at 239.96,79.283 h1 r90; Top Overlay "A" at 238.56,79.188 h1 r90; Mechanical 14 "L" at 252.96,79.95 h1 r270; Mechanical 14 "8" at 255.51,78.1 h1 r270; Mechanical 14 "7" at 255.51,76.1 h1 r270; Mechanical 14 "K" at 251.56,79.95 h1 r270; Mechanical 14 "J" at 250.16,79.95 h1 r270; Mechanical 14 "6" at 255.51,74.1 h1 r270; Mechanical 14 "5" at 255.51,72.1 h1 r270; Mechanical 14 "I" at 248.76,79.7 h1 r270; Mechanical 14 "H" at 247.36,79.95 h1 r270; Mechanical 14 "G" at 245.96,79.95 h1 r270; Mechanical 14 "4" at 255.51,70.1 h1 r270; Mechanical 14 "3" at 255.51,68.1 h1 r270; Mechanical 14 "2" at 255.51,66.1 h1 r270; Mechanical 14 "1" at 255.51,64.1 h1 r270; Mechanical 14 "F" at 244.56,79.95 h1 r270; Mechanical 14 "E" at 243.16,79.95 h1 r270; Mechanical 14 "D" at 241.76,79.95 h1 r270; Mechanical 14 "C" at 240.36,79.95 h1 r270; Mechanical 14 "B" at 238.96,79.95 h1 r270; Mechanical 14 "A" at 237.56,79.95 h1 r270
J16_Slot1: Drill Drawing "PRESS-FIT TECHNOLOGY" at 23.85,90.25 h1; Drill Drawing "Diam. 0.5mm +/-0.05" at 23.85,88.75 h1; Top Overlay "L" at 40.6,108.379 h1 r90; Top Overlay "8" at 43.15,106.433 h1 r90; Top Overlay "7" at 43.15,104.433 h1 r90; Top Overlay "K" at 39.2,108.283 h1 r90; Top Overlay "J" at 37.8,108.474 h1 r90; Top Overlay "6" at 43.15,102.481 h1 r90; Top Overlay "5" at 43.15,100.433 h1 r90; Top Overlay "I" at 36.4,108.7 h1 r90; Top Overlay "H" at 35,108.283 h1 r90; Top Overlay "G" at 33.6,108.236 h1 r90; Top Overlay "4" at 43.15,98.386 h1 r90; Top Overlay "3" at 43.15,96.433 h1 r90; Top Overlay "2" at 43.15,94.433 h1 r90; Top Overlay "1" at 43.15,92.862 h1 r90; Top Overlay "F" at 32.2,108.331 h1 r90; Top Overlay "E" at 30.8,108.331 h1 r90; Top Overlay "D" at 29.4,108.283 h1 r90; Top Overlay "C" at 28,108.236 h1 r90; Top Overlay "B" at 26.6,108.283 h1 r90; Top Overlay "A" at 25.2,108.188 h1 r90; Mechanical 14 "L" at 39.6,108.95 h1 r270; Mechanical 14 "8" at 42.15,107.1 h1 r270; Mechanical 14 "7" at 42.15,105.1 h1 r270; Mechanical 14 "K" at 38.2,108.95 h1 r270; Mechanical 14 "J" at 36.8,108.95 h1 r270; Mechanical 14 "6" at 42.15,103.1 h1 r270; Mechanical 14 "5" at 42.15,101.1 h1 r270; Mechanical 14 "I" at 35.4,108.7 h1 r270; Mechanical 14 "H" at 34,108.95 h1 r270; Mechanical 14 "G" at 32.6,108.95 h1 r270; Mechanical 14 "4" at 42.15,99.1 h1 r270; Mechanical 14 "3" at 42.15,97.1 h1 r270; Mechanical 14 "2" at 42.15,95.1 h1 r270; Mechanical 14 "1" at 42.15,93.1 h1 r270; Mechanical 14 "F" at 31.2,108.95 h1 r270; Mechanical 14 "E" at 29.8,108.95 h1 r270; Mechanical 14 "D" at 28.4,108.95 h1 r270; Mechanical 14 "C" at 27,108.95 h1 r270; Mechanical 14 "B" at 25.6,108.95 h1 r270; Mechanical 14 "A" at 24.2,108.95 h1 r270
J16_Slot2: Drill Drawing "PRESS-FIT TECHNOLOGY" at 54.33,90.25 h1; Drill Drawing "Diam. 0.5mm +/-0.05" at 54.33,88.75 h1; Top Overlay "L" at 71.08,108.379 h1 r90; Top Overlay "8" at 73.63,106.433 h1 r90; Top Overlay "7" at 73.63,104.433 h1 r90; Top Overlay "K" at 69.68,108.283 h1 r90; Top Overlay "J" at 68.28,108.474 h1 r90; Top Overlay "6" at 73.63,102.481 h1 r90; Top Overlay "5" at 73.63,100.433 h1 r90; Top Overlay "I" at 66.88,108.7 h1 r90; Top Overlay "H" at 65.48,108.283 h1 r90; Top Overlay "G" at 64.08,108.236 h1 r90; Top Overlay "4" at 73.63,98.386 h1 r90; Top Overlay "3" at 73.63,96.433 h1 r90; Top Overlay "2" at 73.63,94.433 h1 r90; Top Overlay "1" at 73.63,92.862 h1 r90; Top Overlay "F" at 62.68,108.331 h1 r90; Top Overlay "E" at 61.28,108.331 h1 r90; Top Overlay "D" at 59.88,108.283 h1 r90; Top Overlay "C" at 58.48,108.236 h1 r90; Top Overlay "B" at 57.08,108.283 h1 r90; Top Overlay "A" at 55.68,108.188 h1 r90; Mechanical 14 "L" at 70.08,108.95 h1 r270; Mechanical 14 "8" at 72.63,107.1 h1 r270; Mechanical 14 "7" at 72.63,105.1 h1 r270; Mechanical 14 "K" at 68.68,108.95 h1 r270; Mechanical 14 "J" at 67.28,108.95 h1 r270; Mechanical 14 "6" at 72.63,103.1 h1 r270; Mechanical 14 "5" at 72.63,101.1 h1 r270; Mechanical 14 "I" at 65.88,108.7 h1 r270; Mechanical 14 "H" at 64.48,108.95 h1 r270; Mechanical 14 "G" at 63.08,108.95 h1 r270; Mechanical 14 "4" at 72.63,99.1 h1 r270; Mechanical 14 "3" at 72.63,97.1 h1 r270; Mechanical 14 "2" at 72.63,95.1 h1 r270; Mechanical 14 "1" at 72.63,93.1 h1 r270; Mechanical 14 "F" at 61.68,108.95 h1 r270; Mechanical 14 "E" at 60.28,108.95 h1 r270; Mechanical 14 "D" at 58.88,108.95 h1 r270; Mechanical 14 "C" at 57.48,108.95 h1 r270; Mechanical 14 "B" at 56.08,108.95 h1 r270; Mechanical 14 "A" at 54.68,108.95 h1 r270
J16_Slot3: Drill Drawing "PRESS-FIT TECHNOLOGY" at 84.81,90.25 h1; Drill Drawing "Diam. 0.5mm +/-0.05" at 84.81,88.75 h1; Top Overlay "L" at 101.56,108.379 h1 r90; Top Overlay "8" at 104.11,106.433 h1 r90; Top Overlay "7" at 104.11,104.433 h1 r90; Top Overlay "K" at 100.16,108.283 h1 r90; Top Overlay "J" at 98.76,108.474 h1 r90; Top Overlay "6" at 104.11,102.481 h1 r90; Top Overlay "5" at 104.11,100.433 h1 r90; Top Overlay "I" at 97.36,108.7 h1 r90; Top Overlay "H" at 95.96,108.283 h1 r90; Top Overlay "G" at 94.56,108.236 h1 r90; Top Overlay "4" at 104.11,98.386 h1 r90; Top Overlay "3" at 104.11,96.433 h1 r90; Top Overlay "2" at 104.11,94.433 h1 r90; Top Overlay "1" at 104.11,92.862 h1 r90; Top Overlay "F" at 93.16,108.331 h1 r90; Top Overlay "E" at 91.76,108.331 h1 r90; Top Overlay "D" at 90.36,108.283 h1 r90; Top Overlay "C" at 88.96,108.236 h1 r90; Top Overlay "B" at 87.56,108.283 h1 r90; Top Overlay "A" at 86.16,108.188 h1 r90; Mechanical 14 "L" at 100.56,108.95 h1 r270; Mechanical 14 "8" at 103.11,107.1 h1 r270; Mechanical 14 "7" at 103.11,105.1 h1 r270; Mechanical 14 "K" at 99.16,108.95 h1 r270; Mechanical 14 "J" at 97.76,108.95 h1 r270; Mechanical 14 "6" at 103.11,103.1 h1 r270; Mechanical 14 "5" at 103.11,101.1 h1 r270; Mechanical 14 "I" at 96.36,108.7 h1 r270; Mechanical 14 "H" at 94.96,108.95 h1 r270; Mechanical 14 "G" at 93.56,108.95 h1 r270; Mechanical 14 "4" at 103.11,99.1 h1 r270; Mechanical 14 "3" at 103.11,97.1 h1 r270; Mechanical 14 "2" at 103.11,95.1 h1 r270; Mechanical 14 "1" at 103.11,93.1 h1 r270; Mechanical 14 "F" at 92.16,108.95 h1 r270; Mechanical 14 "E" at 90.76,108.95 h1 r270; Mechanical 14 "D" at 89.36,108.95 h1 r270; Mechanical 14 "C" at 87.96,108.95 h1 r270; Mechanical 14 "B" at 86.56,108.95 h1 r270; Mechanical 14 "A" at 85.16,108.95 h1 r270
J16_Slot4: Drill Drawing "PRESS-FIT TECHNOLOGY" at 115.29,90.25 h1; Drill Drawing "Diam. 0.5mm +/-0.05" at 115.29,88.75 h1; Top Overlay "L" at 132.04,108.379 h1 r90; Top Overlay "8" at 134.59,106.433 h1 r90; Top Overlay "7" at 134.59,104.433 h1 r90; Top Overlay "K" at 130.64,108.283 h1 r90; Top Overlay "J" at 129.24,108.474 h1 r90; Top Overlay "6" at 134.59,102.481 h1 r90; Top Overlay "5" at 134.59,100.433 h1 r90; Top Overlay "I" at 127.84,108.7 h1 r90; Top Overlay "H" at 126.44,108.283 h1 r90; Top Overlay "G" at 125.04,108.236 h1 r90; Top Overlay "4" at 134.59,98.386 h1 r90; Top Overlay "3" at 134.59,96.433 h1 r90; Top Overlay "2" at 134.59,94.433 h1 r90; Top Overlay "1" at 134.59,92.862 h1 r90; Top Overlay "F" at 123.64,108.331 h1 r90; Top Overlay "E" at 122.24,108.331 h1 r90; Top Overlay "D" at 120.84,108.283 h1 r90; Top Overlay "C" at 119.44,108.236 h1 r90; Top Overlay "B" at 118.04,108.283 h1 r90; Top Overlay "A" at 116.64,108.188 h1 r90; Mechanical 14 "L" at 131.04,108.95 h1 r270; Mechanical 14 "8" at 133.59,107.1 h1 r270; Mechanical 14 "7" at 133.59,105.1 h1 r270; Mechanical 14 "K" at 129.64,108.95 h1 r270; Mechanical 14 "J" at 128.24,108.95 h1 r270; Mechanical 14 "6" at 133.59,103.1 h1 r270; Mechanical 14 "5" at 133.59,101.1 h1 r270; Mechanical 14 "I" at 126.84,108.7 h1 r270; Mechanical 14 "H" at 125.44,108.95 h1 r270; Mechanical 14 "G" at 124.04,108.95 h1 r270; Mechanical 14 "4" at 133.59,99.1 h1 r270; Mechanical 14 "3" at 133.59,97.1 h1 r270; Mechanical 14 "2" at 133.59,95.1 h1 r270; Mechanical 14 "1" at 133.59,93.1 h1 r270; Mechanical 14 "F" at 122.64,108.95 h1 r270; Mechanical 14 "E" at 121.24,108.95 h1 r270; Mechanical 14 "D" at 119.84,108.95 h1 r270; Mechanical 14 "C" at 118.44,108.95 h1 r270; Mechanical 14 "B" at 117.04,108.95 h1 r270; Mechanical 14 "A" at 115.64,108.95 h1 r270
J16_Slot5: Drill Drawing "PRESS-FIT TECHNOLOGY" at 145.77,90.25 h1; Drill Drawing "Diam. 0.5mm +/-0.05" at 146.04,88.85 h1; Top Overlay "8" at 165.07,106.433 h1 r90; Top Overlay "L" at 162.52,108.379 h1 r90; Top Overlay "7" at 165.07,104.433 h1 r90; Top Overlay "K" at 161.12,108.283 h1 r90; Top Overlay "J" at 159.72,108.474 h1 r90; Top Overlay "6" at 165.07,102.481 h1 r90; Top Overlay "5" at 165.07,100.433 h1 r90; Top Overlay "I" at 158.32,108.7 h1 r90; Top Overlay "H" at 156.92,108.283 h1 r90; Top Overlay "G" at 155.52,108.236 h1 r90; Top Overlay "4" at 165.07,98.386 h1 r90; Top Overlay "3" at 165.07,96.433 h1 r90; Top Overlay "2" at 165.07,94.433 h1 r90; Top Overlay "1" at 165.07,92.862 h1 r90; Top Overlay "F" at 154.12,108.331 h1 r90; Top Overlay "E" at 152.72,108.331 h1 r90; Top Overlay "D" at 151.32,108.283 h1 r90; Top Overlay "C" at 149.92,108.236 h1 r90; Top Overlay "B" at 148.52,108.283 h1 r90; Top Overlay "A" at 147.12,108.188 h1 r90; Mechanical 14 "L" at 161.52,108.95 h1 r270; Mechanical 14 "8" at 164.07,107.1 h1 r270; Mechanical 14 "7" at 164.07,105.1 h1 r270; Mechanical 14 "K" at 160.12,108.95 h1 r270; Mechanical 14 "J" at 158.72,108.95 h1 r270; Mechanical 14 "6" at 164.07,103.1 h1 r270; Mechanical 14 "5" at 164.07,101.1 h1 r270; Mechanical 14 "I" at 157.32,108.7 h1 r270; Mechanical 14 "H" at 155.92,108.95 h1 r270; Mechanical 14 "G" at 154.52,108.95 h1 r270; Mechanical 14 "4" at 164.07,99.1 h1 r270; Mechanical 14 "3" at 164.07,97.1 h1 r270; Mechanical 14 "2" at 164.07,95.1 h1 r270; Mechanical 14 "1" at 164.07,93.1 h1 r270; Mechanical 14 "F" at 153.12,108.95 h1 r270; Mechanical 14 "E" at 151.72,108.95 h1 r270; Mechanical 14 "D" at 150.32,108.95 h1 r270; Mechanical 14 "C" at 148.92,108.95 h1 r270; Mechanical 14 "B" at 147.52,108.95 h1 r270; Mechanical 14 "A" at 146.12,108.95 h1 r270
J16_Slot6: Drill Drawing "PRESS-FIT TECHNOLOGY" at 176.25,90.25 h1; Drill Drawing "Diam. 0.5mm +/-0.05" at 176.25,88.75 h1; Top Overlay "L" at 193,108.379 h1 r90; Top Overlay "8" at 195.55,106.433 h1 r90; Top Overlay "7" at 195.55,104.433 h1 r90; Top Overlay "K" at 191.6,108.283 h1 r90; Top Overlay "J" at 190.2,108.474 h1 r90; Top Overlay "6" at 195.55,102.481 h1 r90; Top Overlay "5" at 195.55,100.433 h1 r90; Top Overlay "I" at 188.8,108.7 h1 r90; Top Overlay "H" at 187.4,108.283 h1 r90; Top Overlay "G" at 186,108.236 h1 r90; Top Overlay "4" at 195.55,98.386 h1 r90; Top Overlay "3" at 195.55,96.433 h1 r90; Top Overlay "2" at 195.55,94.433 h1 r90; Top Overlay "1" at 195.55,92.862 h1 r90; Top Overlay "F" at 184.6,108.331 h1 r90; Top Overlay "E" at 183.2,108.331 h1 r90; Top Overlay "D" at 181.8,108.283 h1 r90; Top Overlay "C" at 180.4,108.236 h1 r90; Top Overlay "B" at 179,108.283 h1 r90; Top Overlay "A" at 177.6,108.188 h1 r90; Mechanical 14 "L" at 192,108.95 h1 r270; Mechanical 14 "8" at 194.55,107.1 h1 r270; Mechanical 14 "7" at 194.55,105.1 h1 r270; Mechanical 14 "K" at 190.6,108.95 h1 r270; Mechanical 14 "J" at 189.2,108.95 h1 r270; Mechanical 14 "6" at 194.55,103.1 h1 r270; Mechanical 14 "5" at 194.55,101.1 h1 r270; Mechanical 14 "I" at 187.8,108.7 h1 r270; Mechanical 14 "H" at 186.4,108.95 h1 r270; Mechanical 14 "G" at 185,108.95 h1 r270; Mechanical 14 "4" at 194.55,99.1 h1 r270; Mechanical 14 "3" at 194.55,97.1 h1 r270; Mechanical 14 "2" at 194.55,95.1 h1 r270; Mechanical 14 "1" at 194.55,93.1 h1 r270; Mechanical 14 "F" at 183.6,108.95 h1 r270; Mechanical 14 "E" at 182.2,108.95 h1 r270; Mechanical 14 "D" at 180.8,108.95 h1 r270; Mechanical 14 "C" at 179.4,108.95 h1 r270; Mechanical 14 "B" at 178,108.95 h1 r270; Mechanical 14 "A" at 176.6,108.95 h1 r270
J16_Slot7: Drill Drawing "PRESS-FIT TECHNOLOGY" at 206.73,90.25 h1; Drill Drawing "Diam. 0.5mm +/-0.05" at 206.73,88.75 h1; Top Overlay "L" at 223.48,108.379 h1 r90; Top Overlay "8" at 226.03,106.433 h1 r90; Top Overlay "7" at 226.03,104.433 h1 r90; Top Overlay "K" at 222.08,108.283 h1 r90; Top Overlay "J" at 220.68,108.474 h1 r90; Top Overlay "6" at 226.03,102.481 h1 r90; Top Overlay "5" at 226.03,100.433 h1 r90; Top Overlay "I" at 219.28,108.7 h1 r90; Top Overlay "H" at 217.88,108.283 h1 r90; Top Overlay "G" at 216.48,108.236 h1 r90; Top Overlay "4" at 226.03,98.386 h1 r90; Top Overlay "3" at 226.03,96.433 h1 r90; Top Overlay "2" at 226.03,94.433 h1 r90; Top Overlay "1" at 226.03,92.862 h1 r90; Top Overlay "F" at 215.08,108.331 h1 r90; Top Overlay "E" at 213.68,108.331 h1 r90; Top Overlay "D" at 212.28,108.283 h1 r90; Top Overlay "C" at 210.88,108.236 h1 r90; Top Overlay "B" at 209.48,108.283 h1 r90; Top Overlay "A" at 208.08,108.188 h1 r90; Mechanical 14 "L" at 222.48,108.95 h1 r270; Mechanical 14 "8" at 225.03,107.1 h1 r270; Mechanical 14 "7" at 225.03,105.1 h1 r270; Mechanical 14 "K" at 221.08,108.95 h1 r270; Mechanical 14 "J" at 219.68,108.95 h1 r270; Mechanical 14 "6" at 225.03,103.1 h1 r270; Mechanical 14 "5" at 225.03,101.1 h1 r270; Mechanical 14 "I" at 218.28,108.7 h1 r270; Mechanical 14 "H" at 216.88,108.95 h1 r270; Mechanical 14 "G" at 215.48,108.95 h1 r270; Mechanical 14 "4" at 225.03,99.1 h1 r270; Mechanical 14 "3" at 225.03,97.1 h1 r270; Mechanical 14 "2" at 225.03,95.1 h1 r270; Mechanical 14 "1" at 225.03,93.1 h1 r270; Mechanical 14 "F" at 214.08,108.95 h1 r270; Mechanical 14 "E" at 212.68,108.95 h1 r270; Mechanical 14 "D" at 211.28,108.95 h1 r270; Mechanical 14 "C" at 209.88,108.95 h1 r270; Mechanical 14 "B" at 208.48,108.95 h1 r270; Mechanical 14 "A" at 207.08,108.95 h1 r270
J16_Slot8: Drill Drawing "PRESS-FIT TECHNOLOGY" at 237.21,90.25 h1; Drill Drawing "Diam. 0.5mm +/-0.05" at 237.21,88.75 h1; Top Overlay "L" at 253.96,108.379 h1 r90; Top Overlay "8" at 256.51,106.433 h1 r90; Top Overlay "7" at 256.51,104.433 h1 r90; Top Overlay "K" at 252.56,108.283 h1 r90; Top Overlay "J" at 251.16,108.474 h1 r90; Top Overlay "6" at 256.51,102.481 h1 r90; Top Overlay "5" at 256.51,100.433 h1 r90; Top Overlay "I" at 249.76,108.7 h1 r90; Top Overlay "H" at 248.36,108.283 h1 r90; Top Overlay "G" at 246.96,108.236 h1 r90; Top Overlay "4" at 256.51,98.386 h1 r90; Top Overlay "3" at 256.51,96.433 h1 r90; Top Overlay "2" at 256.51,94.433 h1 r90; Top Overlay "1" at 256.51,92.862 h1 r90; Top Overlay "F" at 245.56,108.331 h1 r90; Top Overlay "E" at 244.16,108.331 h1 r90; Top Overlay "D" at 242.76,108.283 h1 r90; Top Overlay "C" at 241.36,108.236 h1 r90; Top Overlay "B" at 239.96,108.283 h1 r90; Top Overlay "A" at 238.56,108.188 h1 r90; Mechanical 14 "L" at 252.96,108.95 h1 r270; Mechanical 14 "8" at 255.51,107.1 h1 r270; Mechanical 14 "7" at 255.51,105.1 h1 r270; Mechanical 14 "K" at 251.56,108.95 h1 r270; Mechanical 14 "J" at 250.16,108.95 h1 r270; Mechanical 14 "6" at 255.51,103.1 h1 r270; Mechanical 14 "5" at 255.51,101.1 h1 r270; Mechanical 14 "I" at 248.76,108.7 h1 r270; Mechanical 14 "H" at 247.36,108.95 h1 r270; Mechanical 14 "G" at 245.96,108.95 h1 r270; Mechanical 14 "4" at 255.51,99.1 h1 r270; Mechanical 14 "3" at 255.51,97.1 h1 r270; Mechanical 14 "2" at 255.51,95.1 h1 r270; Mechanical 14 "1" at 255.51,93.1 h1 r270; Mechanical 14 "F" at 244.56,108.95 h1 r270; Mechanical 14 "E" at 243.16,108.95 h1 r270; Mechanical 14 "D" at 241.76,108.95 h1 r270; Mechanical 14 "C" at 240.36,108.95 h1 r270; Mechanical 14 "B" at 238.96,108.95 h1 r270; Mechanical 14 "A" at 237.56,108.95 h1 r270
J23_Slot1: Drill Drawing "Diam. 0.5mm +/-0.05" at 24.169,60.113 h1; Drill Drawing "PRESS-FIT TECHNOLOGY" at 24.169,61.613 h1; Bottom Overlay "8" at 42.9,58.4 h1 r270; Bottom Overlay "7" at 42.9,56.4 h1 r270; Bottom Overlay "6" at 42.9,54.4 h1 r270; Bottom Overlay "5" at 42.9,52.4 h1 r270; Bottom Overlay "4" at 42.9,50.4 h1 r270; Bottom Overlay "3" at 42.9,48.4 h1 r270; Bottom Overlay "2" at 42.9,46.4 h1 r270; Bottom Overlay "1" at 42.9,44.4 h1 r270; Bottom Overlay "L" at 39.6,42.55 h1 r270; Bottom Overlay "K" at 38.2,42.55 h1 r270; Bottom Overlay "J" at 36.8,42.55 h1 r270; Bottom Overlay "I" at 35.4,42.8 h1 r270; Bottom Overlay "H" at 34,42.55 h1 r270; Bottom Overlay "G" at 32.6,42.55 h1 r270; Bottom Overlay "F" at 31.2,42.55 h1 r270; Bottom Overlay "E" at 29.8,42.55 h1 r270; Bottom Overlay "D" at 28.4,42.55 h1 r270; Bottom Overlay "C" at 27,42.55 h1 r270; Bottom Overlay "B" at 25.6,42.55 h1 r270; Bottom Overlay "A" at 24.2,42.55 h1 r270; Mechanical 14 "8" at 42.9,58.4 h1 r270; Mechanical 14 "7" at 42.9,56.4 h1 r270; Mechanical 14 "6" at 42.9,54.4 h1 r270; Mechanical 14 "5" at 42.9,52.4 h1 r270; Mechanical 14 "4" at 42.9,50.4 h1 r270; Mechanical 14 "3" at 42.9,48.4 h1 r270; Mechanical 14 "2" at 42.9,46.4 h1 r270; Mechanical 14 "1" at 42.9,44.4 h1 r270; Mechanical 14 "L" at 39.6,42.55 h1 r270; Mechanical 14 "K" at 38.2,42.55 h1 r270; Mechanical 14 "J" at 36.8,42.55 h1 r270; Mechanical 14 "I" at 35.4,42.8 h1 r270; Mechanical 14 "H" at 34,42.55 h1 r270; Mechanical 14 "G" at 32.6,42.55 h1 r270; Mechanical 14 "F" at 31.2,42.55 h1 r270; Mechanical 14 "E" at 29.8,42.55 h1 r270; Mechanical 14 "C" at 27,42.55 h1 r270; Mechanical 14 "D" at 28.4,42.55 h1 r270; Mechanical 14 "B" at 25.6,42.55 h1 r270; Mechanical 14 "A" at 24.2,42.55 h1 r270